# Altium PCB MB1635.PcbDoc (part 6 of 10) (continued)
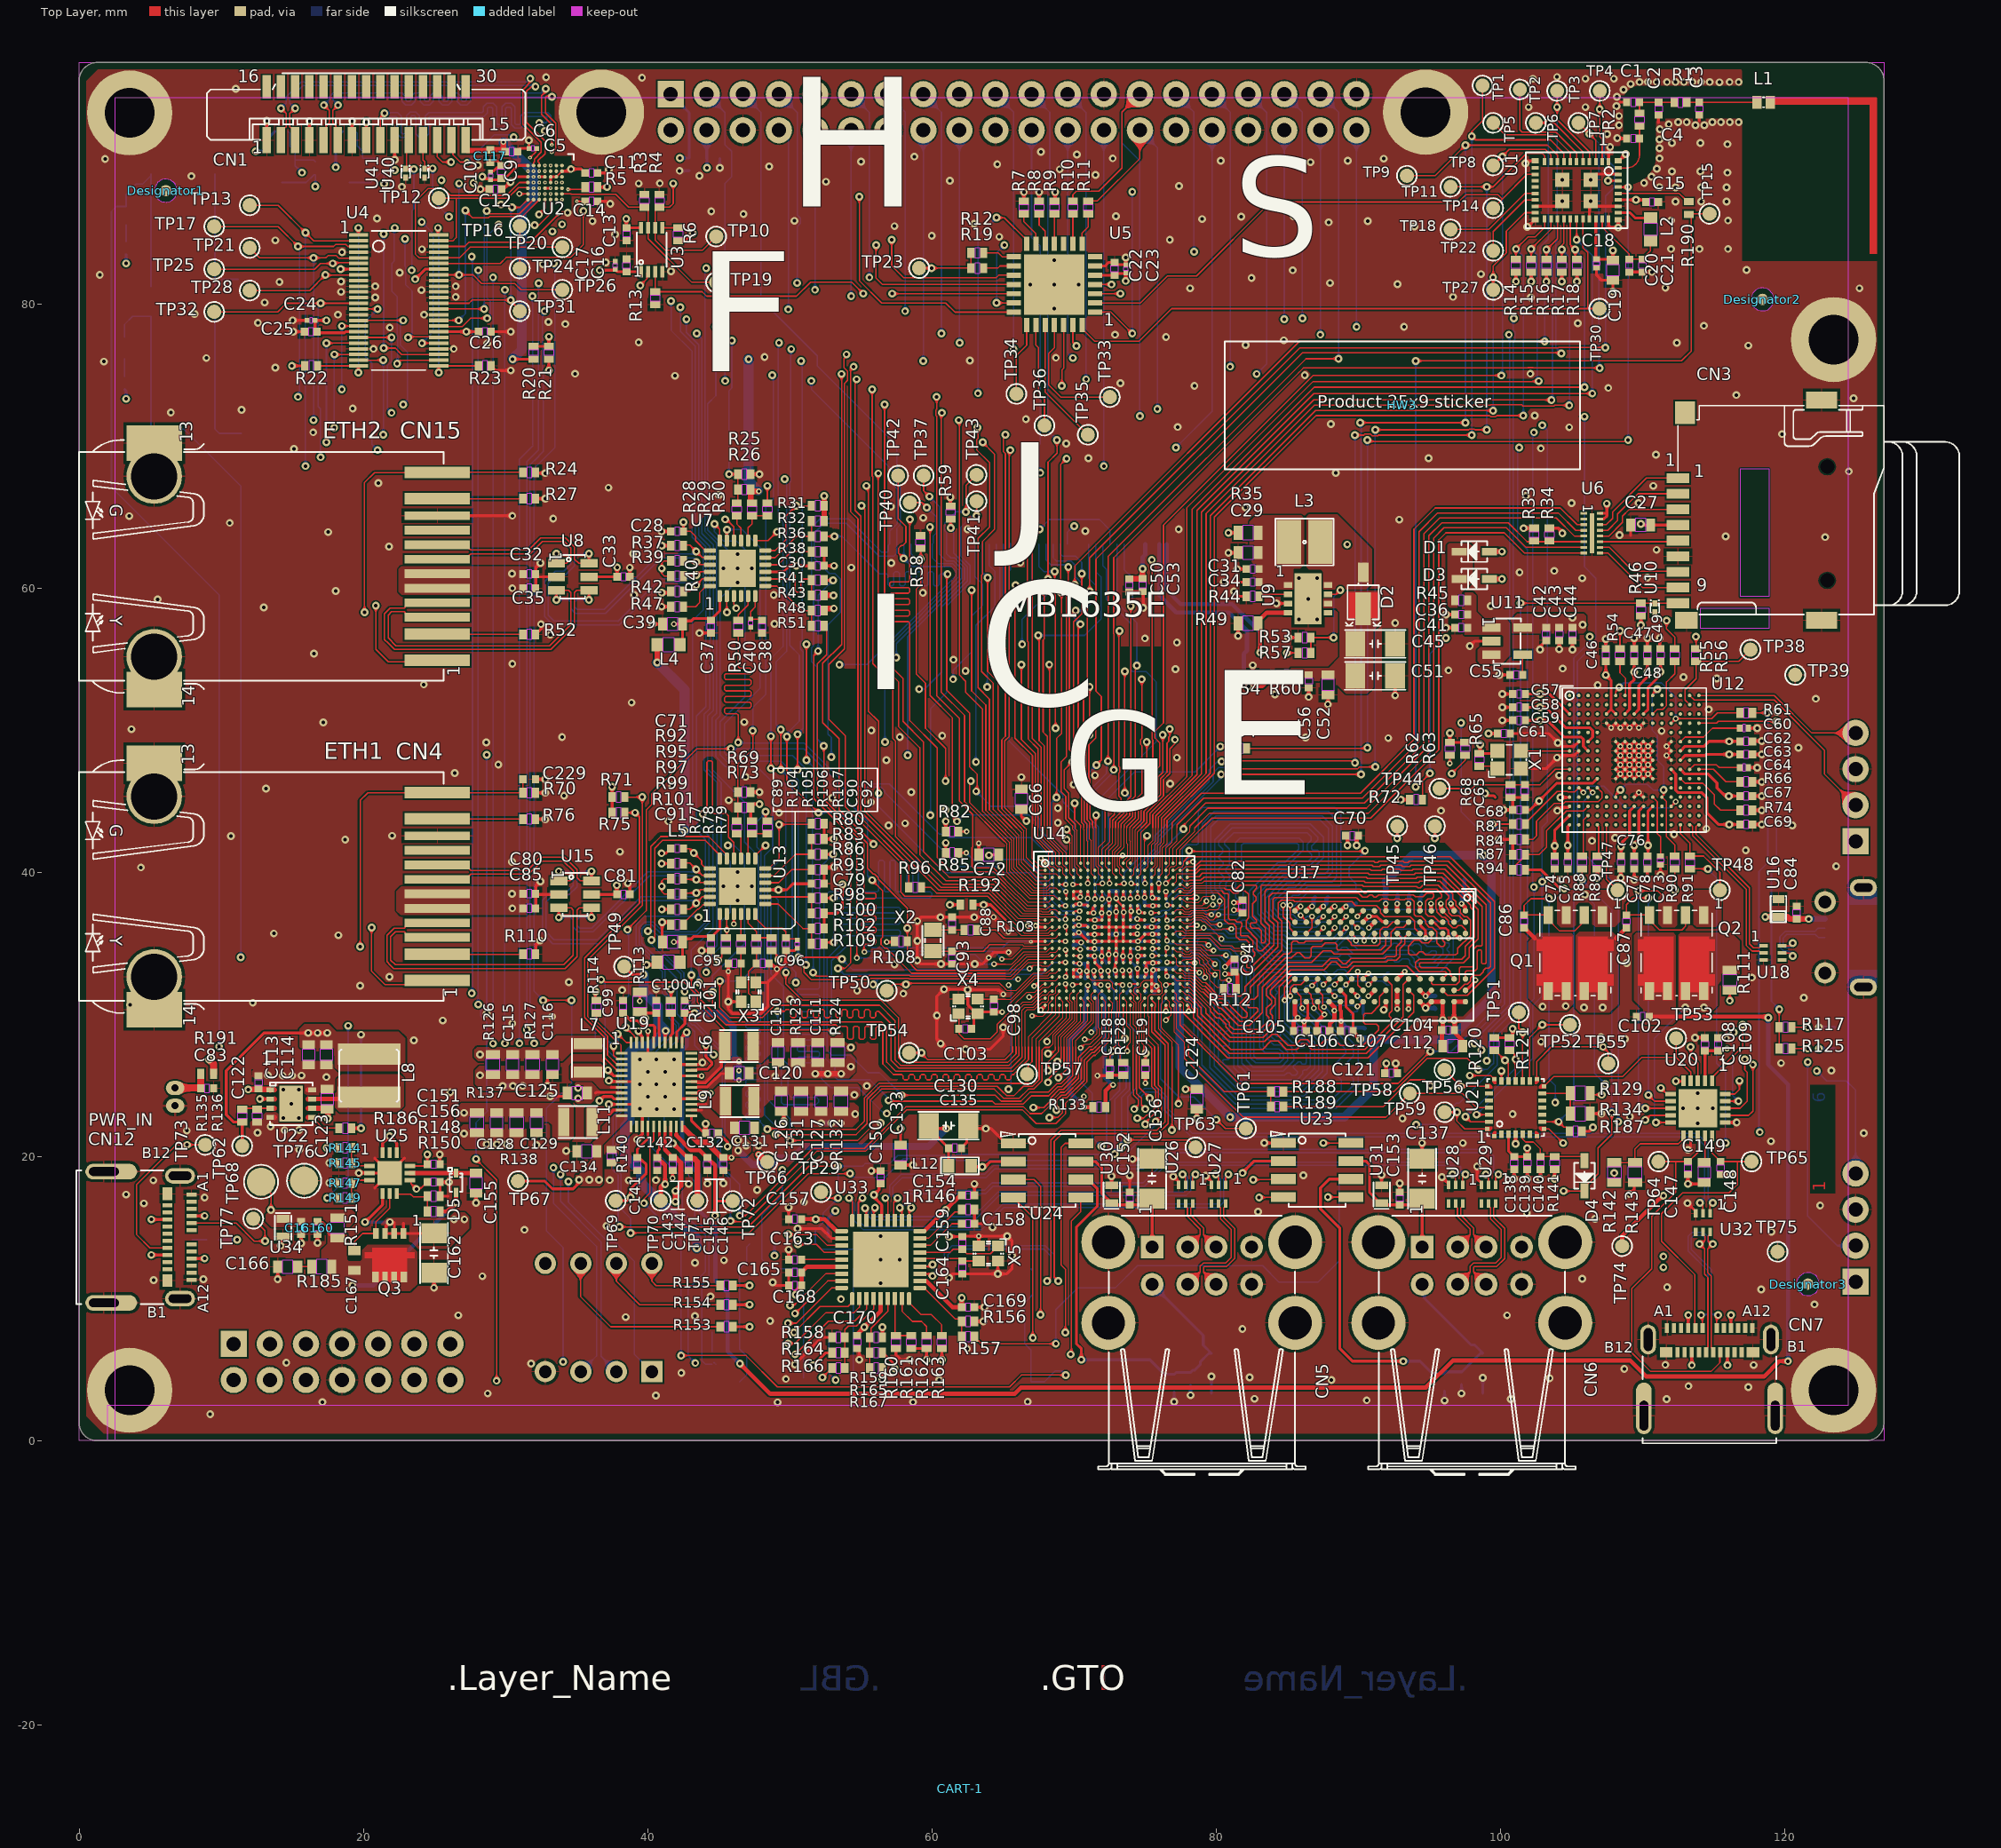
[diagram p0: Top Layer view]
## Nets (pads, with @x,y where several pads share a name; then routed paths per layer and width w, separated by ;. In a path a pad name is that pad's centre, name@x,y a point inside that pad or via, vN(x,y) a via of type N, cw(c..) or ccw(c..) an arc to the next point about the centre after c; other vN are vias at no path point) (continued)
  Top Layer w0.23: v2(67.675,30.325) 67.975,30.625 U14.AA1@67.975,30.65 ; v2(67.675,41) 67.675,40.973 67.975,40.673 U14.A1@67.975,40.65
  Top Layer w0.25: v2(80.625,32.85) C94.1@81.15,32.85 ; U17.M9@88.75,30.9 88.75,30.3 88.8,30.25 v2(88.8,29.525)
  Top Layer w0.3: v2(81.25,37.875) 81.675,37.875 C82.1@81.85,38.05 ; C94.1@81.3,33 81.5,32.8 81.5,32 R112.1@81.4,31.9 ; C105.1@85.45,28.85 85.45,29.475 v2(85.75,29.775) 85.55,29.975 U17.T9@85.55,30.9 ; U17.T1@85.55,37.3 85.831,37.581 85.931,37.581 v2(85.95,37.6) ; U17.P1@87.15,37.3 87.431,37.581 87.531,37.581 v2(87.55,37.6) ; C106.1@87.2,28.95 C106.1@87.1,28.85 87.1,29.475 v2(87.625,30) ; U17.M1@88.745,37.295 U17.M1@88.75,37.3 89.026,37.576 89.126,37.576 v2(89.145,37.595) ; C107.2@88.75,28.85 88.8,28.9 v2(88.8,29.525) ; v1@89.85,41.975 89.9,42.025 89.9,42.45 C70.1@90.025,42.575 ; v2@90.75,31.3 U17.J8@91.15,31.7 ; v2(90.75,36.1) U17.J2@91.145,36.495 ; v1@92.625,26.55 92.65,26.525 92.65,26 C121.1@92.775,25.875 ; v2(92.745,30.395) U17.G8@92.745,31.695 ; U17.G1@92.745,37.295 v2(92.745,37.795) ; v2(93.545,30.395) U17.F9@93.545,30.895 ; v2@94.32,37.795 94.345,37.77 U17.E1@94.345,37.295 ; U17.E8@94.345,31.695 v2(94.745,31.295) U17.D8@95.145,31.695 ; v2(95.125,37.8) 95.125,37.395 95.131,37.39 95.131,37.309 U17.D1@95.145,37.295 ; v2@96.55,37.8 96.544,37.794 96.544,37.754 96.575,37.723 96.575,37.577 96.75,37.402 U17.B1@96.75,37.3 ; C104.1@96.795,28.865 96.795,29.415 96.645,29.565 96.745,29.665 96.745,30.895 U17.A9@97.545,30.895 ; C104.1@96.795,28.895 96.795,28.72 97.37,28.145 C112.1@97.37,27.82
  Signal Layer 1 w0.1: v3(32.375,88.95) 32.394,88.95 32.514,89.07 33.124,89.07 33.292,89.237 33.488,89.237 33.72,89.47
  Bottom Layer w0.09: v2(92.745,37.795) v2@92.775,37.825
  Bottom Layer w0.1: C194.1@70.975,35.7 C194.1@71,35.675 ; v2@76.47,38.645 v2@76.527,38.702
  Bottom Layer w0.2: v1(42.25,89.375) C7.2@42.925,89.375 ; v1(45.075,89.575) C8.1@45.075,90.225 ; C201.1@71,35.15 C194.1@71,35.675 ; v2(71.45,34.1) 71.45,34.096 71.4,34.046 71.675,33.771 71.675,33.6 71.896,33.379 71.896,33.079 v2(71.9,33.075) ; C212.1@74.1,32.65 74.1,32.525 74.325,32.3 C217.2@74.325,31.475 ; C175.1@75.425,38.725 C173.1@75.425,39.7 C171.1@75.425,40.275 ; C216.2@75.575,31.55 C216.2@75.625,31.5 ; C216.2@75.625,31.475 75.725,31.575 75.725,31.846 75.8,31.921 v2@75.8,31.95 ; C211.1@75.75,32.65 75.75,32.075 v2@75.8,32.025 ; v1(77.05,2.75) U39.2@77.05,3.425 ; v1(78.2,3.2) C227.1@78.2,3.9 ; C225.1@79.675,3.35 v1(79.675,4.525) ; v1(96.075,2.825) 96.075,3.394 U38.2@96.075,3.475 ; v1(97.275,3.325) C226.1@97.275,3.95 ; C224.1@98.775,3.35 v1(98.775,4.425) ; v1(122.425,29.1) LD5.4@123.525,29.1
  Bottom Layer w0.3: C207.2@69.975,33.125 70,33.1 70.373,33.1 70.398,33.075 v2(70.4,33.075) 70.4,33.073 v2@70.425,33.048 ; C191.2@69.975,35.975 70.375,35.575 v2@70.438,35.638 ; C197.1@70,35.475 70.08,35.555 70.43,35.555 70.475,35.6 v2@70.438,35.638 ; C183.1@70,38.2 70.025,38.225 70.348,38.225 70.398,38.275 70.404,38.269 70.436,38.269 v2(70.436,38.274) 70.436,38.291 70.425,38.302 70.45,38.327 70.45,38.625 C174.1@70.475,38.65 ; C215.2@70.25,32.55 70.275,32.575 70.275,32.898 v2@70.425,33.048 ; v2@70.425,33.025 v2@70.425,33.048 ; C194.1@70.975,35.7 70.85,35.575 70.65,35.775 v2@70.375,35.775 ; C205.1@71,34.05 71.025,34.075 71.348,34.075 71.373,34.1 v2(71.45,34.1) ; C201.1@71,35.15 71.013,35.138 71.438,35.138 v2(71.45,35.125) 71.463,35.113 71.888,35.113 C202.1@71.9,35.1 ; v2(71.225,28.75) 71.25,28.75 71.655,29.155 C220.1@71.655,30.545 71.655,31.02 C219.2@71.43,31.245 ; v2(71.375,37.15) 71.375,37.152 71.325,37.202 71.425,37.302 71.425,37.6 C187.1@71.45,37.625 ; v2(71.45,36.149) 71.477,36.149 71.503,36.175 71.9,36.175 C190.1@71.925,36.2 ; C214.2@71.9,32.55 71.925,32.575 71.925,33.023 71.9,33.048 v2(71.9,33.075) ; C196.1@72.475,35.65 v2(72.975,35.65) 73.025,35.7 C195.2@73.45,35.7 ; v2(72.475,37.125) 72.475,37.152 72.525,37.202 72.525,37.6 C186.1@72.55,37.625 ; C177.2@72.55,38.7 72.563,38.688 73.088,38.688 C176.1@73.1,38.675 72.994,38.569 72.994,38.194 v2(72.975,38.175) ; v2(72.9,33.1) 72.9,32.775 C213.1@73,32.675 ; v2(72.95,34.225) v2@72.95,34.15 ; C208.1@72.975,33.7 72.95,33.725 v2@72.95,34.15 ; 73,34.55 72.988,34.538 72.988,34.113 v2@72.95,34.15 ; C189.1@73.45,36.75 73.475,36.775 73.475,37.124 73.5,37.149 v2(73.5,37.2) 73.5,37.201 73.475,37.226 73.475,37.625 C185.2@73.45,37.65 ; v2(73.9,33.1) 73.975,33.1 74.025,33.05 74.025,32.75 C212.1@74.1,32.675 ; C188.1@74,36.25 74.025,36.225 74.348,36.225 74.423,36.15 74.448,36.175 v2@74.475,36.175 ; C200.1@74,35.15 v2@74.475,35.15 ; v2@74.463,36.163 v2@74.475,36.175 ; v2@74.475,35.149 74.488,35.162 74.962,35.162 C199.1@74.975,35.175 ; v2(74.5,34.1) 74.519,34.119 C204.2@74.975,34.119 ; v2(74.5,36.175) v2@74.475,36.175 ; C184.1@74.55,37.675 74.575,37.65 74.575,37.327 74.6,37.302 74.575,37.277 v2(74.575,37.225) ; C193.1@74.975,35.725 75,35.7 75.448,35.7 75.498,35.65 v2(75.525,35.65) ; C175.1@75.425,38.675 75.45,38.65 75.45,38.277 75.475,38.252 75.475,38.225 75.488,38.213 75.963,38.213 C182.1@75.975,38.2 ; v2@75.527,33.125 75.577,33.175 75.975,33.175 C206.1@76.025,33.225 ; v2(75.575,33.125) 75.575,33.098 75.7,32.973 75.7,32.675 C211.1@75.725,32.65 ; C198.1@76,35.45 75.819,35.631 75.544,35.631 v2(75.525,35.65) ; C192.1@76,36 75.669,35.669 75.544,35.669 v2(75.525,35.65) ; C206.1@76.05,33.2 76.075,33.225 77.12,33.225 77.12,33.245 C210.2@77.225,33.35 ; v2(87.55,37.6) 87.55,37.605 87.77,37.825 87.77,38.145 C181.1@87.875,38.25 ; v2(88.8,29.525) 88.8,29.463 89.188,29.075 90.4,29.075 R179.1@90.45,29.025 ; v2(89.145,37.595) 89.172,37.595 89.297,37.72 89.745,37.72 R176.1@89.85,37.825 ; v2@92.775,37.825 C180.2@92.775,38.4 ; v2(94.345,37.795) 94.364,37.814 94.364,38.264 94.475,38.375 C179.1@94.475,38.4 ; v2(94.745,31.295) 94.755,31.305 C218.1@95.425,31.305 ; C172.1@96.075,39.5 96.075,38.75 96.506,38.319 96.506,37.819 v2(96.525,37.8) ; v2@70.375,35.775 v2(70.35,35.775) 70.35,35.725 v2@70.438,35.638 ; v2@70.375,35.775 70.475,35.675 v2@70.438,35.638
  other v1: 9.225,1.875 49.15,2.7 17.125,2.725 58.675,2.725 66.75,2.75 90.6,2.85 100.745,2.933 111.7,2.925 82.7,2.95 40.575,3.175 28.75,3.325 117.45,3.775 113.25,3.85 60.525,4.275 88.125,4.275 49.725,4.35 103.475,4.4 82.352,4.473 42.375,4.775 108.725,5.05 117.825,5.325 111.625,5.35 31.8,5.425 14.575,5.5 62.475,6.475 81.85,7.875 48.625,8.425 38.45,8.7 43.325,8.775 26.675,8.825 100.475,8.825 122.1,9.6 53.6,9.975 44.425,10.163 118.35,10.65 111.75,10.8 56.4,11.1 5.233,11.308 8.75,11.367 105.775,11.4 28.375,11.575 43.325,12.525 45.375,12.7 56.4,12.75 57.75,12.75 56.4,14.4 119.075,14.7 31.325,14.85 37.1,15.125 106.675,15.62 101.875,16.025 82.95,16.125 122.5,16.55 4.55,16.7 51,16.8 8.825,17.125 3.3,17.325 47.7,17.65 42.9,18.075 44.2,18.1 45.325,18.125 5.225,18.325 38.677,18.326 37.327,18.351 40.577,18.351 86.15,18.675 91.65,18.7 34.275,20.4 15.5,20.5 47.802,20.776 32.175,20.8 97.375,20.95 119.05,21.075 125.575,21.65 12.55,21.675 7.575,21.825 14.45,21.85 15.475,21.875 113.9,22.35 56.4,22.375 93.125,22.675 109.125,22.8 100.875,23 40.65,23.35 41.875,23.35 39.45,23.375 112.85,23.4 113.9,23.4 114.95,23.4 40.025,24.225 41.225,24.225 113.9,24.45 26.1,24.525 55.425,24.975 39.45,25.1 41.875,25.1 17.4,25.6 48.975,25.65 14.325,25.7 14.988,25.7 15.65,25.7 13.275,25.725 40.025,25.95 41.225,25.95 123.3,26.05 92.65,26.55 119.75,26.575 39.45,26.825 40.625,26.825 41.875,26.825 102.875,28.075 23.55,28.175 108.775,28.275 107.075,28.4 30.475,29.375 25.575,29.575 96.75,29.605 33.275,29.85 28.676,30.076 3.575,30.675 12.225,30.825 50.025,31.075 121.35,31.175 58,31.475 42.6,31.625 54.75,31.675 38.2,31.725 40.602,31.776 19.775,32.025 34.45,32.275 117.7,32.6 21.825,32.65 57.375,33.525 108.9,33.625 18.25,35.575 13.7,35.7 46.325,38.025 45.325,39.025 46.325,39.025 47.325,39.025 104.275,39.5 46.325,40.025 4.35,40.35 123.625,40.425 30.45,40.75 38.05,41.45 117.275,41.55 89.9,41.9 106.45,42.225 18.722,42.296 108.075,42.425 10.675,42.55 22.025,42.575 112.225,42.675 114.5,43.075 56.95,43.3 120.55,43.3 58.125,43.45 68.875,43.5 41.45,43.6 49.25,44.2 95.825,44.35 60.975,44.4 68.875,44.525 55.725,44.95 45.7,45.075 52.975,45.25 34.125,45.4 58.55,45.65 13.15,45.9 41.725,46.125 69.975,46.175 76.775,46.25 66.3,46.7 46.9,46.725 71.475,46.825 104.15,46.825 26.425,47 29.501,47.577 56.8,47.9 77.25,48.075 104,48.075 120.975,48.775 28.65,49.15 92.125,49.45 86.3,49.5 33.975,49.525 57.75,49.525 60.725,49.625 111.35,49.95 55.75,50 3.675,50.075 17.175,50.55 46.8,50.575 119.475,51.3 114.675,51.475 38.875,51.95 122.2,52.225 84.15,52.525 106.85,53.175 24.25,53.225 115.225,53.65 112.9,53.75 62.375,54.175 96.35,54.225 77.15,54.3 104.4,54.35 30.475,54.675 61.525,54.975 16.525,55.4 77.25,56.175 75,56.475 33.15,56.725 64.525,56.975 48.925,57.5 92.6,57.55 85.825,57.8 87.125,57.8 13,58.65 99.325,58.75 5.525,59.225 86.475,59.25 39.05,59.525 48.875,59.525 59.375,59.675 18.05,59.8 109.375,59.95 46.325,60.4 85.825,60.7 87.125,60.7 105.775,60.7 110.35,60.75 101.35,61.125 103.8,61.225 45.325,61.4 46.325,61.4 47.325,61.4 54.325,61.45 57.15,61.775 66.225,61.8 46.325,62.4 38.975,62.425 111,62.7 21.8,62.925 89.225,63.075 122.85,63.6 115.85,63.65 108.4,63.75 17.525,63.95 70.8,64.025 62.525,64.15 77.375,64.15 101.65,64.225 10.6,64.6 92.9,64.825 33.35,64.9 59.4,64.95 3.525,65.075 82.075,65.675 57.125,65.75 105.025,66 109.725,66 101.8,66.5 45.025,66.55 37.25,67.075 110.775,67.2 21.05,67.4 88.425,68.125 124.525,68.225 71.025,69.15 94.95,69.15 110.95,69.4 15.125,69.8 102.85,69.85 69.45,70.175 119.825,70.85 16.475,70.975 104.85,71.325 77.3,71.35 88.075,71.55 66.625,71.9 102.425,72.15 6.45,72.375 11.425,72.55 19.25,72.65 124.85,73.375 116.6,73.6 107.6,74.1 78.475,74.25 73.275,74.425 41.925,74.95 86.25,75 34.9,75.1 102.125,75.1 13.8,75.525 1.75,75.95 62.675,76.025 8.95,76.2 68.725,76.225 48.225,76.275 20.7,76.85 26.35,76.85 117.45,77.075 82.075,77.125 28.7,77.225 112.425,77.275 39.375,77.3 84.775,77.45 76.475,77.675 72.9,77.85 21.85,78.35 93.225,78.4 114.325,78.475 34.2,78.6 105.45,78.65 12.575,78.675 33.025,78.75 18.2,79.25 24.275,79.25 8.116,79.309 68.625,79.675 13.05,80.1 20.825,80.45 102.15,80.45 26.5,80.5 96.675,80.5 18.425,80.85 107.925,80.875 24.075,80.975 78.175,81.1 125.275,81.1 111.625,81.15 20.825,81.25 26.5,81.25 66.925,81.375 68.625,81.375 70.325,81.375 92.775,81.4 88.025,81.475 14.1,81.55 18.425,81.575 82.5,81.825 1.45,82.05 98.65,82.1 22.55,82.2 41.65,82.3 85.4,82.375 117.325,82.4 32.626,82.804 37.05,82.925 68.625,83.075 18.5,83.65 24.125,83.85 112.025,83.875 114.025,83.875 116.025,83.875 13.8,84.475 76.75,84.525 64.75,84.725 60,84.8 37.7,84.9 93.95,85.45 57.375,85.475 62.975,85.65 87.925,85.75 36.125,85.825 90.675,85.825 50.327,85.854 112.025,85.875 116.025,85.875 79.025,85.975 20.95,86.025 81.775,86.15 72.95,86.175 85.45,86.175 46.75,86.325 34.375,86.425 44.475,86.525 112.325,87.2 114.125,87.2 115.925,87.2 112.325,88.2 114.125,88.2 115.925,88.2 111.2,88.225 22.7,88.25 77.4,88.3 39.375,88.475 40.85,88.5 110.125,88.525 52.55,88.6 61.275,88.675 104.375,88.75 110.65,88.95 7.9,89 43.65,89.025 71.525,89.075 115.975,89.25 112.075,89.325 114.075,89.325 69,89.475 111.025,89.525 48.55,89.675 28.05,89.775 64.6,89.825 84.25,89.975 86.65,89.975 55.025,90.025 80.325,90.075 89.275,90.075 1.825,90.2 91.8,90.225 72.725,90.25 111.2,90.25 58.775,90.375 70.2,90.525 51.225,90.6 67.675,90.7 111.2,90.95 115.975,91.25 112.075,91.325 114.075,91.325 111.2,91.575 108.225,91.675 107.525,91.95 111.225,92.3 108.35,92.575 113.725,92.575 114.35,92.575 111.85,92.65 112.525,92.8 113.125,92.8 114.925,92.8 115.525,92.8 116.15,92.8 116.775,92.8 108.35,93.225 102,93.85 106,93.85 108.175,93.925 108.2,94.575 108.675,95.075 11.025,95.15 109.175,95.475 115.425,95.6 109.8,95.625 110.4,95.625 111,95.625 111.725,95.625 112.325,95.625 112.925,95.625 113.525,95.625 114.125,95.625 114.725,95.625 116.125,95.625 116.775,95.625 102.3,95.85 106,95.85 108,95.85 39.6,95.925 32.85,95.95 104,95.975
  other v2: 71.895,32.07 63.3,42.05
  other v3: 67.525,33.175 66.975,35.125 33.975,87.35 31.975,87.75 33.975,88.55 31.575,89.35
GNDDetect: R74.2 U12.K13 | length 5.5
  Top Layer w0.1: U12.K13@112.675,46.6 113,46.275 114.25,46.275 115.05,45.475 115.05,44.825 115.5,44.375 R74.2@116.85,44.375
HSE_IN: C98.2 U14.T3 X4.3 | length 6.6
  Top Layer w0.075: 65.175,31.075 65.561,31.075 67.221,32.735 67.396,32.735 68.16,32.735 68.329,32.904 68.729,32.904 U14.T3@68.975,33.15
  Top Layer w0.1: X4.3@63.2,31.075 C98.2@64.375,31.075 65.175,31.075
HSE_OUT: C103.1 U14.U2 X4.1 | length 10.6
  Top Layer w0.075: 65.175,29.875 65.45,30.15 65.45,30.725 67.291,32.566 68.23,32.566 68.309,32.645 68.47,32.645 U14.U2@68.475,32.65
  Top Layer w0.1: X4.1@61.9,30.075 C103.1@61.9,29 61.928,28.972 61.928,28.629 62.256,28.3 64.125,28.3 64.6,28.775 64.6,29.3 65.175,29.875
I2C1_SCL: CN8.28 R11.1 R62.1 U14.A6 U21.26 | length 150.4
  Top Layer w0.075: U14.A6@70.475,40.65 70.475,43.125
  Top Layer w0.1: v1(70.05,44.875) 70.05,43.725 70.475,43.3 70.475,43.125 ; R11.1@71,87.25 71.65,87.25 74.64,90.24 CN8.28@74.64,92.23 ; v2(96.45,47.675) R62.1@96.45,48.25 ; v1(98.325,22.95) U21.26@99.2,22.95
  Signal Layer 2 w0.1: v1(70.05,44.875) 71.4,46.225 72.6,46.225 73.8,47.425 78.217,47.425 79.217,48.425 80.659,48.425 80.734,48.35 95.775,48.35 v2(96.45,47.675) 96.525,47.675 97.05,47.15 97.05,46.75 102.95,40.85 v1(102.95,39.35) ; v1(75.875,72.625) 98.508,72.625 99.658,71.475 v1(102.95,71.475)
  Bottom Layer w0.1: CN8.28@74.64,92.23 75.875,90.995 v1(75.875,72.625) ; v1(98.325,22.95) 102.275,26.9 102.275,30.625 102.95,31.3 v1(102.95,39.35) 102.95,43.2 103.325,43.575 103.325,71.1 v1(102.95,71.475)
I2C1_SDA: CN8.27 R10.1 R63.1 U14.B9 U21.27 | length 158.7
  Top Layer w0.075: U14.B9@71.975,40.15 71.964,40.161 71.964,40.311 71.728,40.547 71.728,41.743 72.2,42.215 72.2,43.125
  Top Layer w0.1: R10.1@69.925,87.25 69.925,87.7 70.175,87.95 71.75,87.95 73.375,89.575 73.375,93.505 CN8.27@74.64,94.77 ; v1(71.575,44.875) 72.2,44.25 72.2,43.125 ; v1(96.575,46.95) 97.525,47.9 R63.1@97.525,48.25 ; v1(97.55,22.8) 97.9,22.45 U21.27@99.2,22.45
  Signal Layer 2 w0.1: v1(71.575,44.875) 73.925,47.225 78.3,47.225 79.3,48.225 80.576,48.225 80.651,48.15 95.367,48.15 96.567,46.95 v1(96.575,46.95) 96.575,46.942 102.375,41.142 v1(102.375,38.975) ; v1(74.65,72.125) 98.725,72.125 99.875,70.975 v1(102.375,70.975)
  Bottom Layer w0.1: v1@74.64,72.125 74.64,90.075 73.375,91.34 73.375,93.505 CN8.27@74.64,94.77 ; v1(97.55,22.8) 97.574,22.8 98.149,23.375 98.225,23.375 102.075,27.225 102.075,30.825 102.375,31.125 v1(102.375,38.975) 102.289,39.061 102.289,39.245 102.275,39.259 102.275,70.753 102.375,70.853 v1(102.375,70.975)
I2C4_SCL: R75.1 U14.A9 U19.4 | length 65.8
  Top Layer w0.075: U14.A9@71.975,40.65 71.975,41.625 72.525,42.175 72.525,43.125
  Top Layer w0.1: U19.4@38.175,26.075 37.85,26.075 36.975,26.95 36.975,28.387 35.575,29.787 35.575,33.975 39.425,37.825 39.425,43.9 v1(39.125,44.2) R75.1@38.4,44.2 ; 72.525,43.125 72.525,43.75 72.85,44.075 v1(72.85,44.8)
  Signal Layer 2 w0.09: 64.811,41.9 65.011,41.7 70.875,41.7 72.3,43.125
  Signal Layer 2 w0.1: v1(39.125,44.2) 39.125,45.401 39.449,45.725 39.979,45.725 40.054,45.65 41.737,45.65 44.437,42.95 54.275,42.95 55.675,41.55 61.175,41.55 61.775,40.95 62.85,40.95 63.8,41.9 64.811,41.9 ; 72.3,43.125 72.85,43.675 v1(72.85,44.8)
I2C4_SDA: R71.1 U14.A15 U19.3 | length 63.9
  Top Layer w0.075: U14.A15@74.975,40.65 74.975,42.4 v1@75.175,42.6
  Top Layer w0.1: U19.3@38.175,26.475 37.85,26.475 37.175,27.15 37.175,28.47 35.775,29.87 35.775,33.825 39.625,37.675 v1(39.625,45.3) R71.1@38.4,45.3
  Signal Layer 2 w0.09: 65.175,41.5 71.163,41.5 72.238,42.575 v1(75.15,42.575)
  Signal Layer 2 w0.1: v1(39.625,45.3) 39.775,45.45 41.654,45.45 44.354,42.75 50.919,42.75 51.89,41.779 53.259,41.779 53.877,42.397 54.503,42.397 55.575,41.325 61.117,41.325 61.717,40.725 62.908,40.725 63.883,41.7 64.575,41.7 64.775,41.5 65.175,41.5
I2C5_SCL_1V8: R169.1 R171.1 TR2.2 U2.F5 | length 24.7
  Signal Layer 1 w0.1: v1(29.675,87) 29.683,87 30.883,88.2 31.898,88.2 31.948,88.15 v3(31.975,88.15)
  Signal Layer 2 w0.1: v1(15.675,89.25) 15.675,87.95 16.65,86.975 23.775,86.975 v1(25.5,88.7) 27.2,87 v1(29.675,87)
  Bottom Layer w0.1: R169.1@14.7,92.15 14.825,92.025 14.825,91.125 TR2.2@15.2,90.75 TR2.2@15.2,90.125 ; v1(15.675,89.25) 15.2,89.725 TR2.2@15.2,90.125 ; R171.1@16.625,90 16.5,90.125 TR2.2@15.2,90.125
I2C5_SDA_1V8: R168.1 R170.1 TR1.2 U2.G6 | length 15.5
  Top Layer w0.1: v2(30.975,87.75) U2.G6@31.575,87.75
  Signal Layer 2 w0.1: v1(22.2,89.425) 22.725,88.9 24.925,88.9 25.15,89.125 26.875,89.125 27.25,88.75 27.25,88.025 27.675,87.6 29.625,87.6 29.775,87.75 v2(30.975,87.75)
  Bottom Layer w0.1: R168.1@19.45,92.15 19.575,92.025 19.575,91.125 TR1.2@19.95,90.75 19.95,90.25 21.15,90.25 21.496,89.904 21.721,89.904 v1(22.2,89.425)
I_SENSE_VDD: C110.2 C111.1 CN14.14 L6.2 R123.1 R124.1 | length 51.4
  Signal Layer 3 w0.2: CN14.14@26.12,4.28 27.19,5.35 28.35,5.35 33.167,10.167 43.583,10.167 44.875,11.459 44.875,13.75 45.475,14.35 46.541,14.35 49.991,17.8 55.866,17.8 58.871,20.805 58.871,25.704 57.375,27.2 54.45,27.2 54.3,27.35 v1(54.3,27.675)
"I_SENSE_VDD CPU": C115.1 C116.2 CN14.2 L7.2 R126.1 R127.1 | length 35.1
  Signal Layer 3 w0.2: CN14.2@10.88,4.28 9.81,5.35 9.259,5.35 8.875,5.734 8.875,7.766 14.259,13.15 17.009,13.15 18.425,14.566 18.425,19.591 25.484,26.65 27.975,26.65 28.2,26.875 v1(28.2,27.175)
I_SENSE_VDD_CORE: C126.2 C127.1 CN14.10 L9.2 R131.1 R132.1 | length 47
  Signal Layer 3 w0.2: CN14.10@21.04,4.28 22.325,5.565 22.325,7.539 23.277,8.492 24.067,8.492 32.325,16.75 37.283,16.75 38.202,17.668 38.202,18.523 38.63,18.951 41.949,18.951 ; 41.949,18.95 48.325,18.95 49.45,20.075 53.75,20.075 55.85,22.175 55.85,23.341 55.316,23.875 54.692,23.875 54.575,23.992 54.575,24.325 v1(54.55,24.35)
I_SENSE_VDD_DDR: C128.1 C129.2 CN14.4 L11.2 R137.1 R138.1 | length 28.1
  Signal Layer 3 w0.2: CN14.4@13.42,4.28 12.15,5.55 12.15,8.466 12.859,9.175 15.875,9.175 17.95,11.25 20.8,14.1 20.8,17.816 25.534,22.55 26.9,22.55 27.075,22.725 v1(27.075,23.075)
I_SENSE_VDD_USB: C100.2 CN14.6 R113.1 U19.39 | length 43.9
  Top Layer w0.2: R113.1@39.45,30.175 R113.1@39.525,30.1 ; v1(39.827,29.726) 39.827,29.798 39.725,29.9 R113.1@39.525,30.1 ; C100.2@40.625,30.1 R113.1@39.525,30.1 ; C100.2@40.65,30.075 40.672,30.075 40.802,29.945 40.802,28.655 40.825,28.631 U19.39@40.825,28.025
  Signal Layer 3 w0.2: CN14.6@15.96,4.28 15.96,4.31 17.275,5.625 17.275,7.875 19.2,9.8 22.841,9.8 31.575,18.534 31.575,21.35 32.25,22.025 32.25,26 36.3,30.05 39.608,30.05 39.725,29.933 39.827,29.831 v1(39.827,29.726)
ISENSE_MEAS: TP53.1 U20.4 U21.14 | length 13.6
  Top Layer w0.1: U21.14@103.075,24.95 103.75,25.625 108.6,25.625 109.95,26.975 112.375,26.975 ; TP53.1@112.375,28.325 112.375,26.975 ; U20.4@113.4,25.325 113.4,25.95 112.375,26.975
LCD_B2: CN16.23 U14.D6 | length 26.4
  Top Layer w0.09: v2@70.025,39.15 U14.D6@70.475,39.15
  Bottom Layer w0.09: v2(69.925,39.15) 69.925,39.231 70.025,39.331 70.025,43.125
  Bottom Layer w0.1: CN16.23@65.525,63.15 CN16.23@65.525,63.1 65.525,61.293 65.45,61.218 65.45,49.225 69.225,45.45 69.225,44.975 70.025,44.175 70.025,43.125
LCD_B3: CN16.24 U14.D11 | length 34.4
  Top Layer w0.09: U14.D11@72.975,39.15 72.988,39.163 73.438,39.163 v2@73.45,39.175
  Top Layer w0.1: v1(73.575,45.6) v1(73.575,54.15)
  Signal Layer 2 w0.219: v1(64.7,54.15) 64.75,54.1 73.525,54.1 v1(73.575,54.15)
  Bottom Layer w0.09: v2(73.525,39.225) 73.525,39.975 74.725,41.175 74.725,43.125
  Bottom Layer w0.1: v1(64.7,54.15) 65.025,54.475 CN16.24@65.025,63.1 ; v1(73.575,45.6) 74.725,44.45 74.725,43.125
LCD_B4: CN16.25 U14.B8 | length 31.2
  Top Layer w0.075: 71.309,43.125 71.39,43.043 71.39,40.27 71.475,40.185 U14.B8@71.475,40.15
  Top Layer w0.1: v1(71.1,53.05) 71.1,50.55 71.525,50.125 71.525,49.45 71.05,48.975 71.05,46.649 71.125,46.574 71.125,43.781 71.3,43.606 71.3,43.324 71.309,43.315 71.309,43.125
  Signal Layer 2 w0.219: v1(63.9,53.05) v1(71.1,53.05)
  Bottom Layer w0.1: v1(63.9,53.05) 63.9,57.25 64.774,58.124 64.774,61.458 64.525,61.707 CN16.25@64.525,63.1
LCD_B5: CN16.26 U14.B6 | length 31.2
  Top Layer w0.075: 70.1,43.125 70.1,43.083 70.228,42.954 70.228,40.548 70.45,40.326 70.45,40.175 U14.B6@70.475,40.15
  Top Layer w0.1: v1(69.875,47.775) 69.325,47.225 69.325,45.875 69.625,45.575 69.625,43.85 70.1,43.375 70.1,43.125
  Signal Layer 2 w0.219: v1(63.1,47.775) v1(69.875,47.775)
  Bottom Layer w0.1: v1(63.1,47.775) 63.1,51.5 63.1,57.378 64.453,58.731 64.453,61.178 64.025,61.606 CN16.26@64.025,63.1
LCD_B6: CN16.27 U14.C1 | length 25.7
  Top Layer w0.075: 65.975,43.125 66.31,42.79 66.31,40.69 67.35,39.65 U14.C1@67.975,39.65
  Top Layer w0.1: v1(63.925,60.75) 63.925,54.15 64.65,53.425 64.65,44.45 65.975,43.125
  Bottom Layer w0.1: CN16.27@63.525,63.1 63.525,61.15 v1(63.925,60.75)
LCD_B7: CN16.28 U14.B11 | length 38.2
  Top Layer w0.075: U14.B11@72.975,40.15 72.975,40.187 72.89,40.272 72.89,41.415 73.325,41.85 73.325,43.125
  Top Layer w0.1: 73.325,43.125 73.325,43.414 73.925,44.014 73.925,44.703 74.775,45.553 74.775,48.924 74.7,48.999 74.7,49.351 74.775,49.426 v1(74.775,53.6)
  Signal Layer 2 w0.219: v1(61.5,53.6) v1(74.775,53.6)
  Bottom Layer w0.1: v1(61.5,53.6) 61.5,54.225 62.8,55.525 62.8,58.03 63.575,58.805 63.575,60.271 63.025,60.821 CN16.28@63.025,63.1
LCD_BL: R57.1 U14.A4 | length 32.4
  Top Layer w0.075: 68.325,43.125 68.325,42.5 69.475,41.35 U14.A4@69.475,40.65
  Top Layer w0.1: 68.325,43.125 68.325,49.924 68.275,49.974 68.275,54.575 v1@68.325,54.625 ; v1(84.975,55.45) R57.1@85.775,55.45
  Signal Layer 2 w0.1: v1(68.253,54.628) 73.622,54.628 73.625,54.625 74.025,55.025 84.55,55.025 v1(84.975,55.45)
LCD_BL_A: C54.2 CN16.2 R60.2 | length 17.8
  Top Layer w0.3: v1(82.3,53.1) 83.25,53.1 83.475,53.325 C54.2@83.475,53.9 R60.2@84.5,53.9
  Bottom Layer w0.3: CN16.2@76.025,63.1 76.025,59.475 77.206,58.294 80.9,58.294 82.175,57.019 82.175,55.6 81.95,55.375 81.95,53.518 82.3,53.168 v1(82.3,53.1)
LCD_BL_K: CN16.1 R49.2 U9.4 | length 17.1
  Top Layer w0.3: v1(83.1,55.475) 83.1,57.375 R49.2@82.95,57.525 82.95,57.65 83.575,58.275 U9.4@85.075,58.275
  Bottom Layer w0.3: CN16.1@76.525,63.1 76.525,59.878 77.515,58.888 81.137,58.888 83.1,56.925 v1(83.1,55.475)
LCD_CLK: CN16.30 TP41.1 U14.C9 | length 41.2
  Top Layer w0.075: 71.559,43.125 71.559,40.441 71.725,40.275 71.725,39.9 U14.C9@71.975,39.65
  Top Layer w0.1: TP41.1@62.975,66.125 63.15,65.95 v1(63.15,65.1) ; 71.559,43.125 71.559,43.131 71.521,43.169 71.521,43.971 v1(71.565,44.015)
  Signal Layer 2 w0.219: v1(59.9,44.015) 60.81,44.925 66.751,44.925 67.651,44.025 71.555,44.025 v1(71.565,44.015)
  Bottom Layer w0.1: v1(59.9,44.015) 59.9,51.5 61.025,52.625 61.025,58.734 62.69,60.399 62.69,61.602 62.025,62.267 CN16.30@62.025,63.1 62.025,64.275 62.799,65.049 63.099,65.049 v1(63.15,65.1)
LCD_DE: CN16.34 TP40.1 U14.C12 | length 50.8
  Top Layer w0.075: U14.C12@73.475,39.65 73.221,39.904 73.221,40.279 73.059,40.441 73.059,41.334 73.525,41.8 73.525,43.125
  Top Layer w0.1: TP40.1@58.45,66.025 59.3,66.025 v1(59.65,65.675) ; 73.525,43.125 73.525,43.331 74.125,43.931 74.125,44.621 75.125,45.621 v1(75.125,49.175)
  Signal Layer 2 w0.1: v1(56.7,49.175) 56.822,49.175 56.922,49.075 74.841,49.075 74.855,49.089 75.039,49.089 v1(75.125,49.175)
  Bottom Layer w0.1: v1(56.7,49.175) 56.7,55.6 61.9,60.8 61.9,61.275 61.45,61.725 60.45,61.725 60.025,62.15 CN16.34@60.025,63.1 60.106,63.181 60.106,63.681 60.325,63.9 60.325,65 v1(59.65,65.675)
LCD_DISP: CN16.31 R59.2 U14.AA20 | length 102.1
  Top Layer w0.09: v1(61.325,64.25) R59.2@61.325,64.875 ; U14.AA20@77.474,30.65 77.475,29.27 79.02,27.725
  Top Layer w0.1: 79.02,27.725 81.595,25.15 92.817,25.15 v1(95.075,27.408)
  Signal Layer 2 w0.1: v1(59.1,52.9) 61.475,50.525 68.474,50.525 68.524,50.575 97.2,50.575 v1(97.25,50.525)
  Bottom Layer w0.09: v1(59.1,52.9) 59.492,52.9 60.7,54.108 60.7,58.7 62.495,60.495 62.495,61.522 61.525,62.492 61.525,63.967 61.325,64.167 v1(61.325,64.25)
  Bottom Layer w0.1: v1(95.075,27.408) 96.558,27.408 100.025,30.875 100.025,41.5 97.25,44.275 v1(97.25,50.525)